# Altium PCB DM3390.PcbDoc (part 1 of 5) (continued)
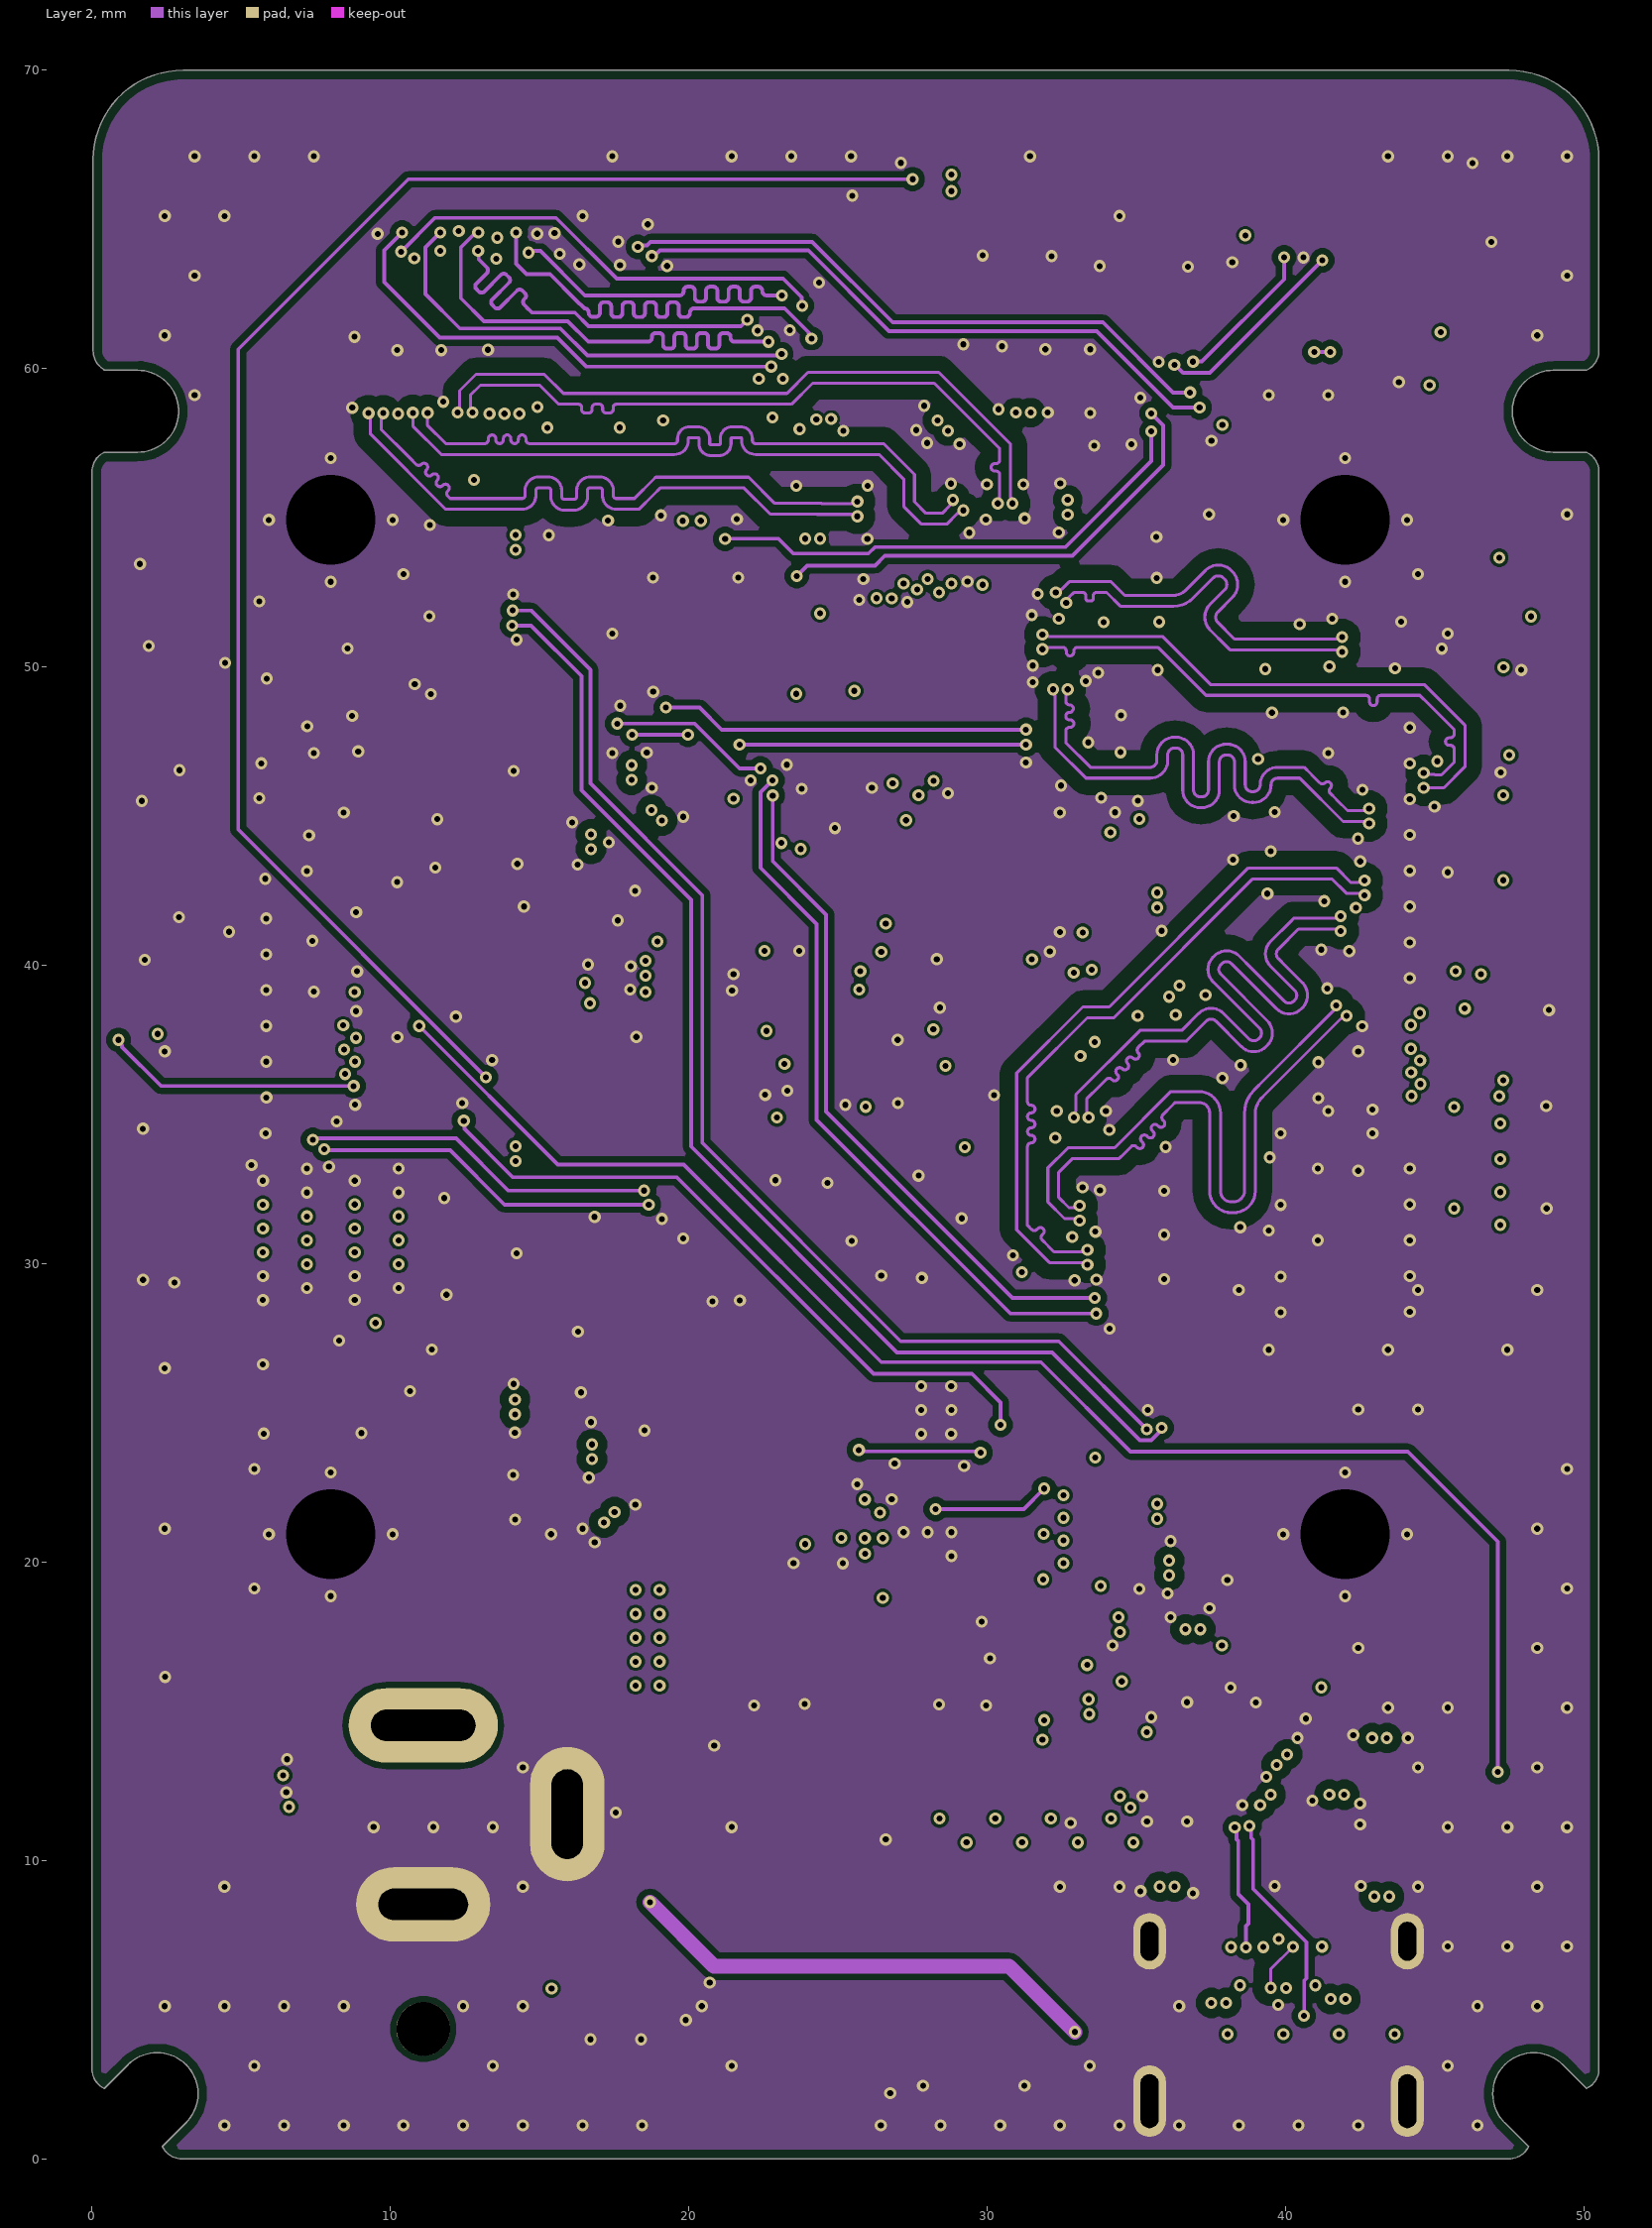
[diagram p3: Layer 2]
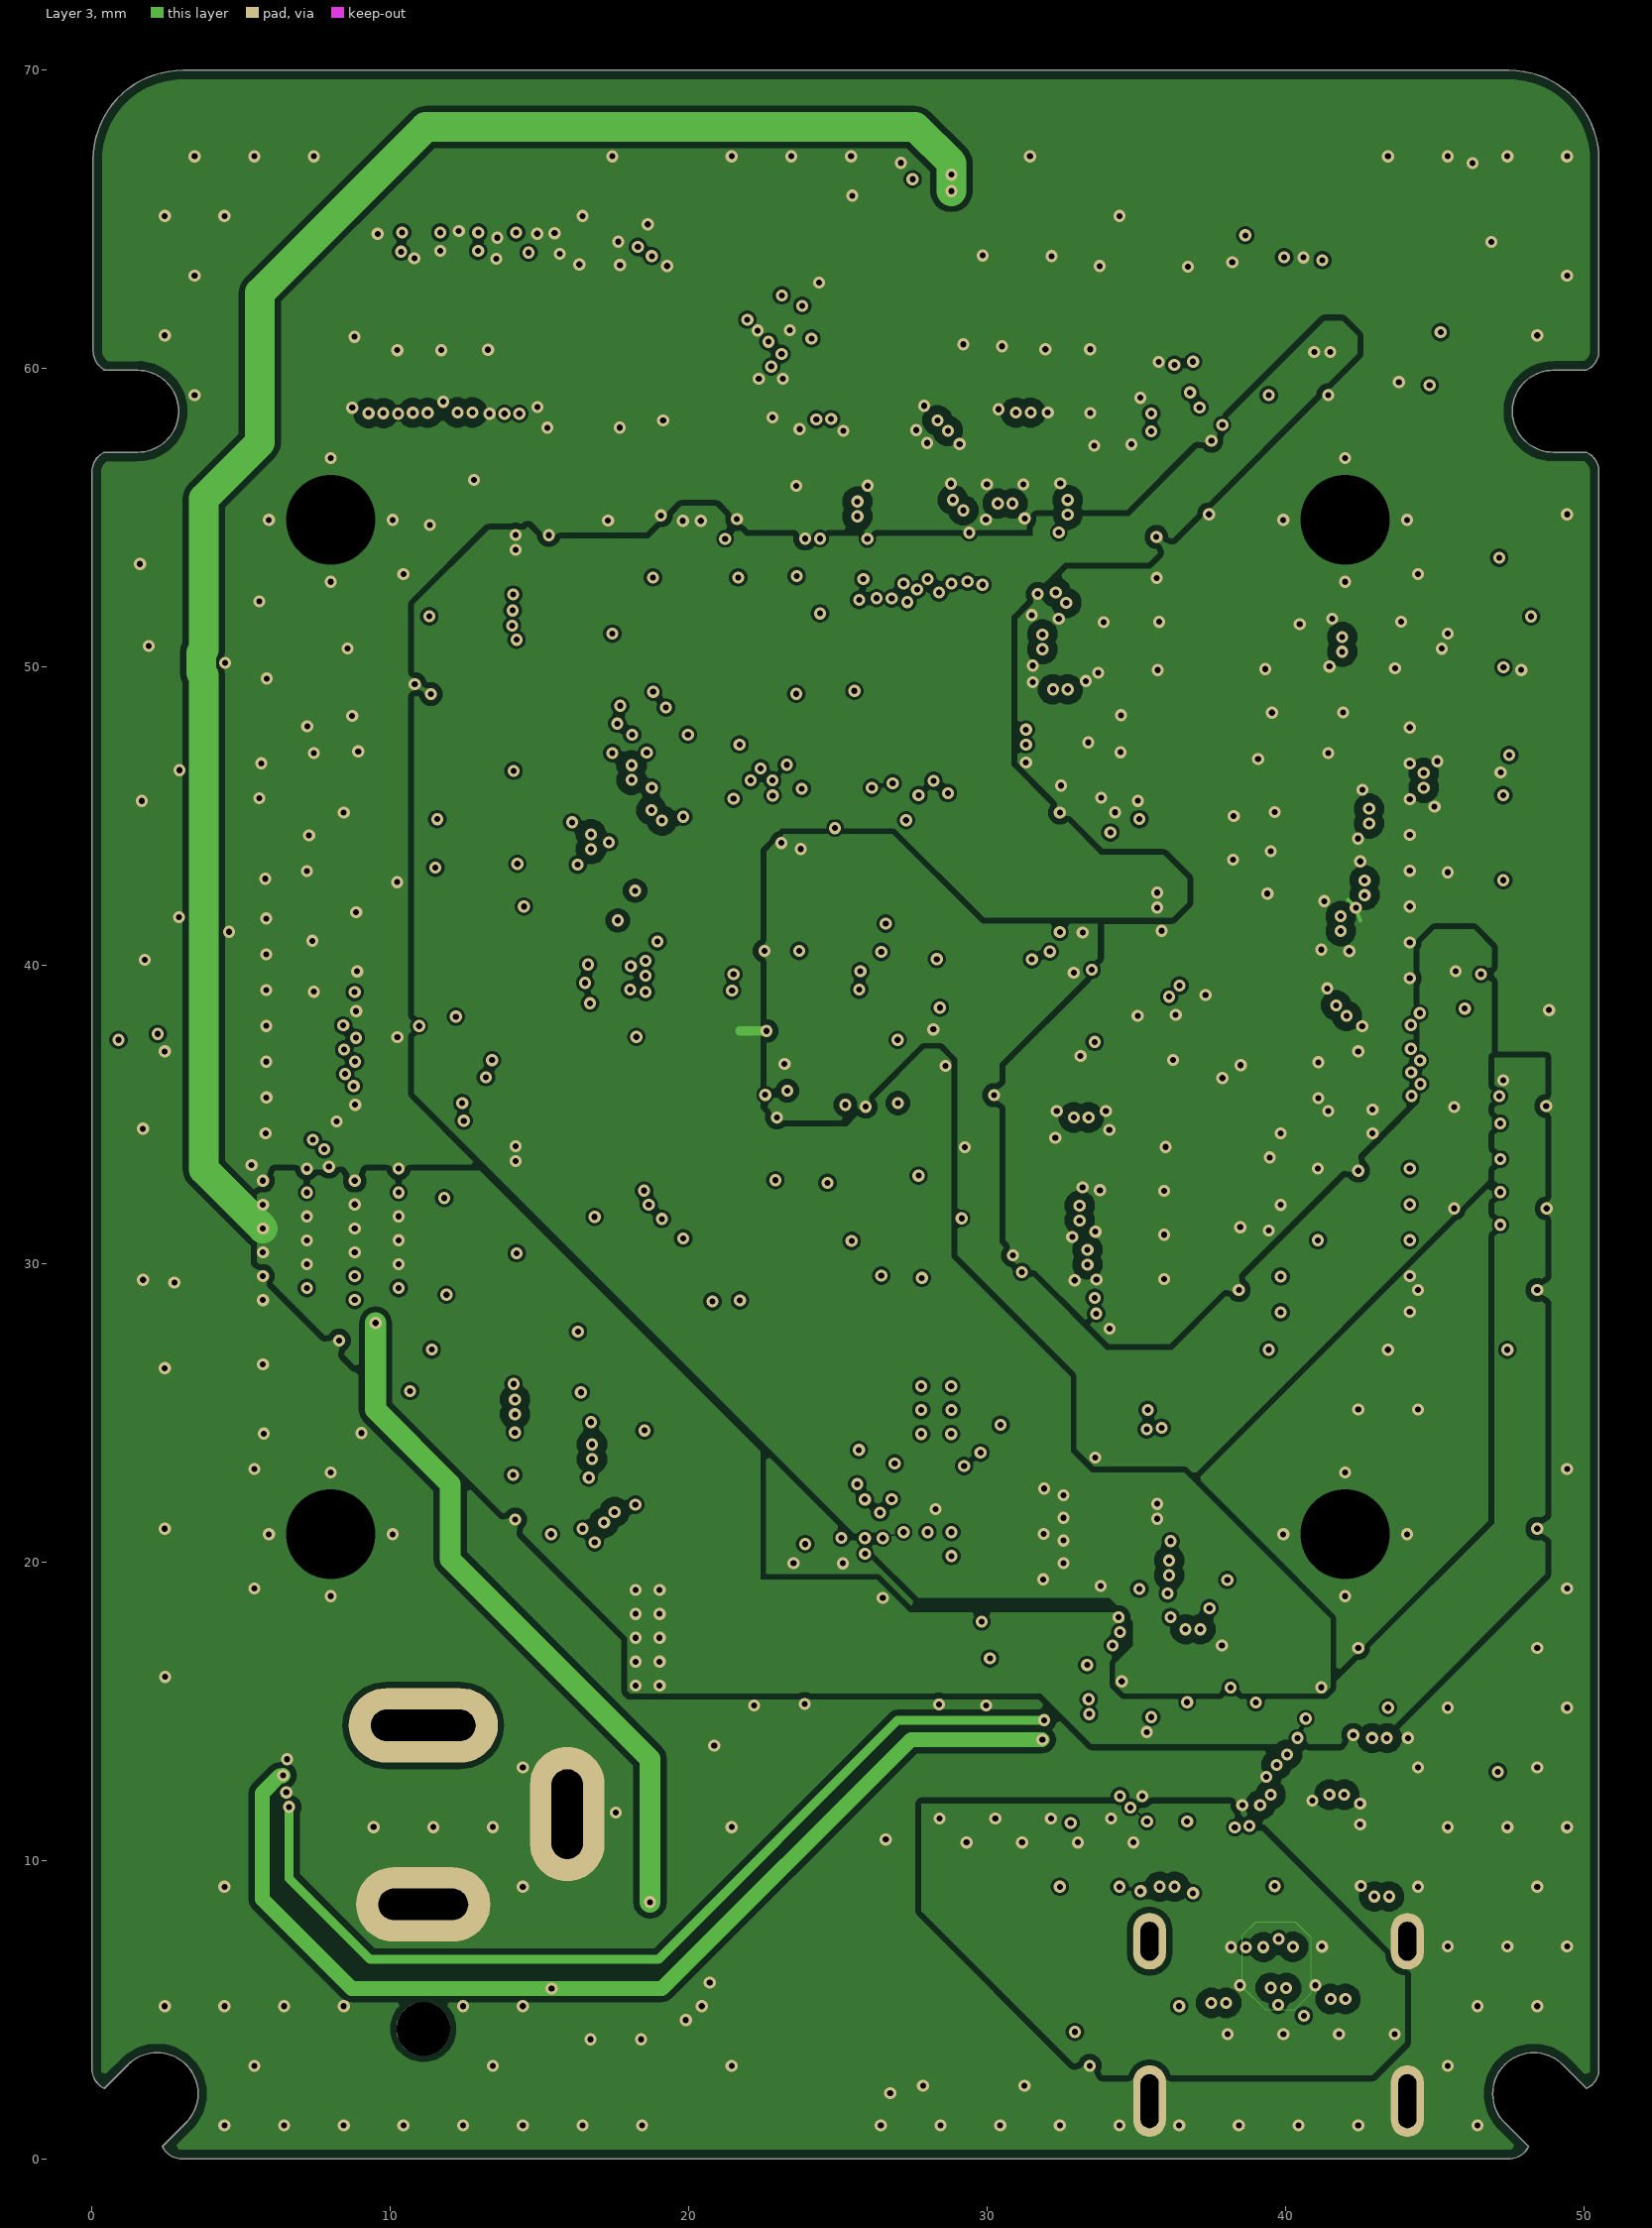
[diagram p4: Layer 3]
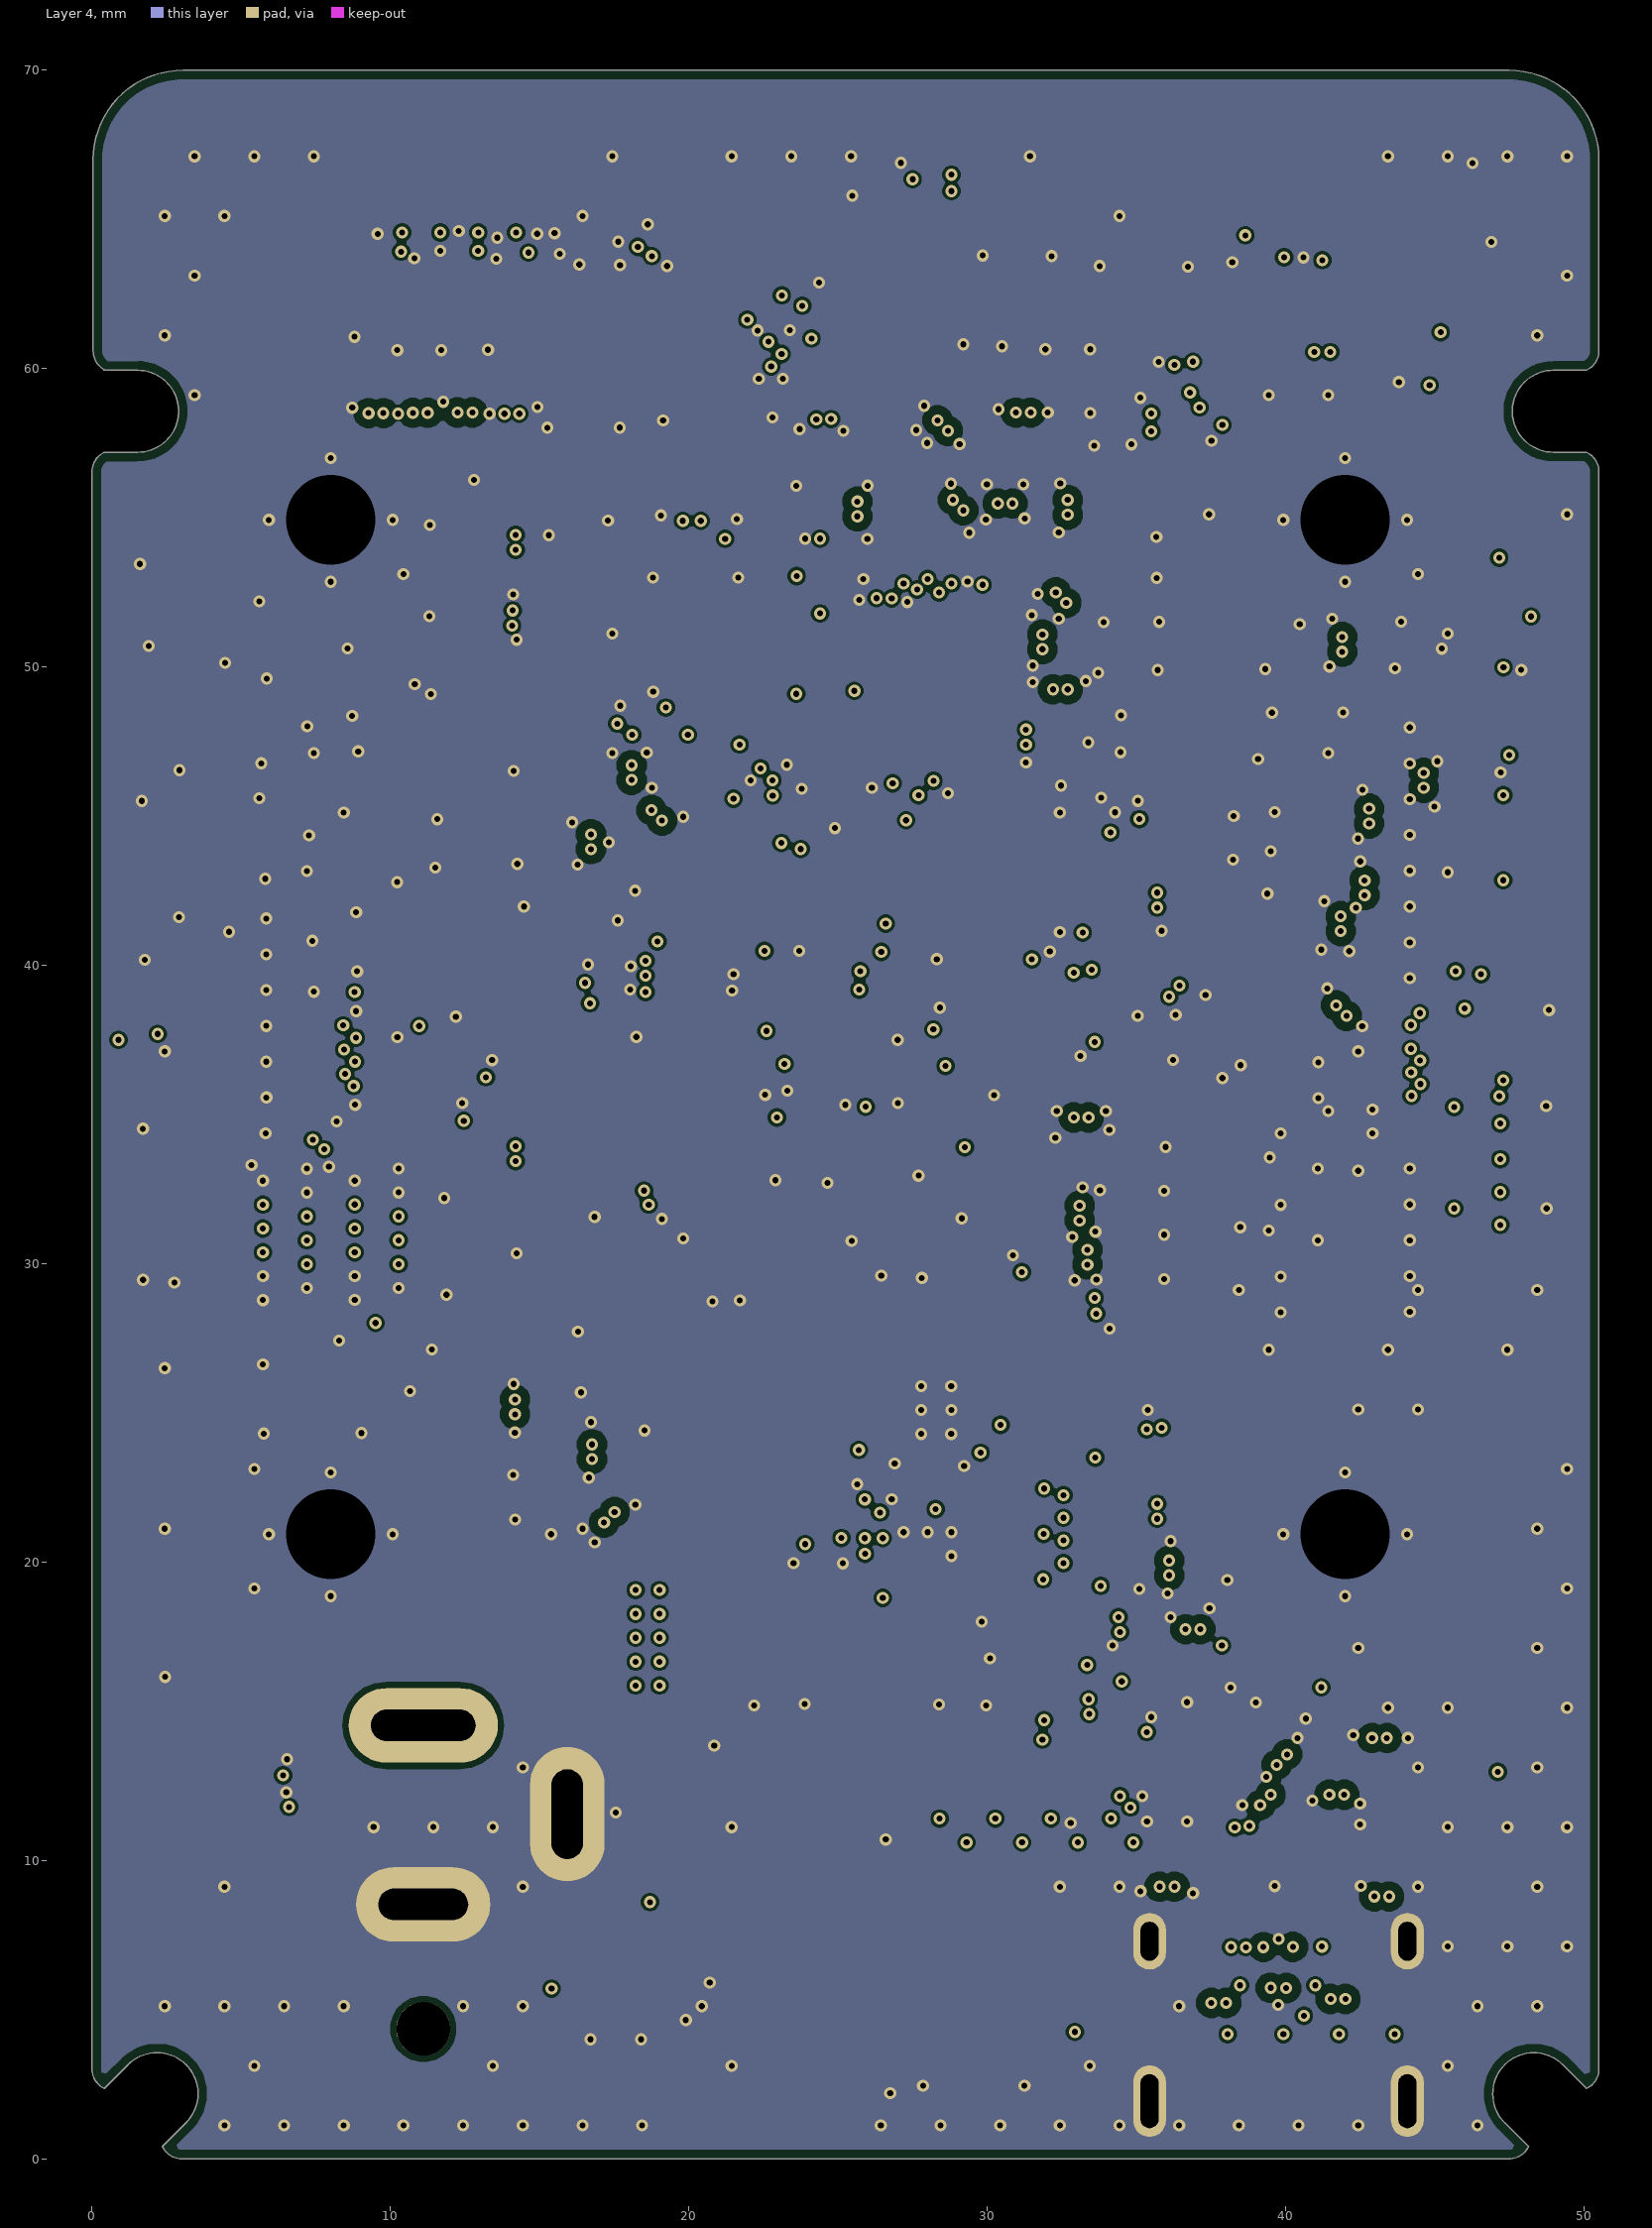
[diagram p5: Layer 4]

## Layer stack, top to bottom
Top Mask: solder mask 0.018, Solder Resist, Dk 4.2
Top Copper: signal copper 0.0356
Dielectric 3 (1080): prepreg 0.0711, PP-006, Dk 3.8
Layer 1: signal copper 0.035
Dielectric 1 (2116): prepreg 0.1168, PP-016, Dk 4.1
Layer 2: signal copper 0.035
Core: core 0.9906, q, Dk 4.6
Layer 3: signal copper 0.035
Dielectric 2 (2116): prepreg 0.1168, PP-016, Dk 4.1
Layer 4: signal copper 0.035
Dielectric 4 (1080): prepreg 0.0711, PP-006, Dk 3.8
Bottom Layer: signal copper 0.0356
Bottom Solder: solder mask 0.018, Solder Resist, Dk 4.2

## Board outline
0,2.999 ccw(c0.711,2.999) 0.41,2.355 0.408,2.356 1.205,3.154 cw(c2.178,2.181) 3.15,1.209 2.353,0.412 2.354,0.41 ccw(c2.998,0.71) 2.998,0 47.501,0 ccw(c47.501,0.711) 48.145,0.41 48.144,0.408 47.346,1.205 cw(c48.319,2.178) 49.291,3.15 50.088,2.353 50.09,2.354 ccw(c49.79,2.998) 50.5,2.998 50.5,56.552 ccw(c49.79,56.552) 50.09,57.195 50.102,57.197 48.974,57.197 cw(c48.974,58.572) 48.974,59.947 50.102,59.947 50.09,59.948 ccw(c49.79,60.592) 50.5,60.592 50.5,67.019 ccw(c47.503,67.003) 47.487,70 3.05,70 ccw(c3.034,67.003) 0.037,67.019 0.037,60.592 ccw(c0.747,60.592) 0.447,59.948 0.398,59.947 1.526,59.947 cw(c1.526,58.572) 1.526,57.197 0.398,57.197 0.41,57.195 ccw(c0.71,56.552) 0,56.552

## Design rules (kind name [scope] priority, off if disabled: settings)
AssemblyTestPointUsage [All] p1: valid=2
BoardOutlineClearance BoardOutlineClearance_Exception [HasFootprint('105450-0101')] p1: gap=0.225 ignorepadtopadclearanceinfootprint=FALSE
BoardOutlineClearance [All] p2: gap=0.305 ignorepadtopadclearanceinfootprint=FALSE
Clearance "Poly to Diff" [InPolygon vs (InDifferentialPairClass('All Differential Pairs'))] p1: gap=0.2 ignorepadtopadclearanceinfootprint=FALSE except(0.4: Via-Fill Via-Poly Via-Region; 0.5: Arc-Fill Arc-Poly Arc-Region Track-Fill Track-Poly Track-Region)
Clearance general [All] p2: gap=0.102 ignorepadtopadclearanceinfootprint=FALSE except(0.089: Via-Via; 0.2: Arc-Fill Arc-Poly Arc-Region Track-Fill Track-Poly Track-Region SMDPad-Fill SMDPad-Poly SMDPad-Region THPad-Fill THPad-Poly THPad-Region Via-Fill Via-Poly Via-Region Fill-Fill Fill-Poly Fill-Region Poly-Poly Poly-Region Region-Region)
ComponentClearance [All] p1: gap=0.001 collisioncheckmode=3 verticalgap=0.001 showdistances=FALSE
DiffPairsRouting 90ohm_diff_pair [InDifferentialPairClass('USB3')] p1: maxlimit=0.254 minlimit=0.102 mostfreqgap=0.154 toplayer_maxgap=0.102 toplayer_prefgap=0.102 toplayer_minwidth=0.102 toplayer_maxwidth=0.102 toplayer_prefwidth=0.102 midlayer1_mingap=0.154 midlayer1_maxgap=0.154 midlayer1_minwidth=0.102 midlayer1_maxwidth=0.102 midlayer1_prefwidth=0.102 midlayer2_mingap=0.154 midlayer2_maxgap=0.154 midlayer2_minwidth=0.102 midlayer2_maxwidth=0.102 midlayer2_prefwidth=0.102 bottomlayer_maxgap=0.102 bottomlayer_prefgap=0.102 bottomlayer_minwidth=0.102 bottomlayer_maxwidth=0.102 bottomlayer_prefwidth=0.102 impedanceprofiledriven=TRUE impedanceprofileid={E8767E0A-F1A8-41FE-9F94-E5935E97141E} impedanceprofilevalue=90.000000 maxuncoupledlength=12.7
DiffPairsRouting 100ohm_Diff_pair [InDifferentialPairClass('100ohm')] p2: maxlimit=0.261 minlimit=0.102 mostfreqgap=0.261 toplayer_mingap=0.127 toplayer_maxgap=0.127 toplayer_prefgap=0.127 toplayer_minwidth=0.089 toplayer_maxwidth=0.089 toplayer_prefwidth=0.089 midlayer1_mingap=0.261 midlayer1_minwidth=0.102 midlayer1_maxwidth=0.102 midlayer1_prefwidth=0.102 midlayer2_mingap=0.261 midlayer2_minwidth=0.102 midlayer2_maxwidth=0.102 midlayer2_prefwidth=0.102 bottomlayer_mingap=0.127 bottomlayer_maxgap=0.127 bottomlayer_prefgap=0.127 bottomlayer_minwidth=0.089 bottomlayer_maxwidth=0.089 bottomlayer_prefwidth=0.089 impedanceprofiledriven=TRUE impedanceprofileid={A9FFC291-69E9-4DAD-BB28-77FB23F50BE8} impedanceprofilevalue=100.000000 maxuncoupledlength=12.7
FabricationTestPointUsage [All] p1: valid=2 allowmultiple=FALSE
HoleSize [All] p1: absolutevalues=TRUE maxlimit=3.81 minlimit=0.025 maxpercent=80.000 minpercent=20.000
HoleToHoleClearance [All] p1: gap=0.254 allowstackedmicrovias=FALSE
MatchedLengths "Schematic Matched Net Lengths_12" [InNetClass('SDIO')] p1: tolerance=2.54 checknetsindiffpair=FALSE checkdiffpairvsdiffpair=TRUE checkxsignals=TRUE checkothers=TRUE usedelayunits=TRUE delaytolerance=20.000000
MatchedLengths XSIG-SPI1 [InxSignalClass('XSIG-SPI1')] p2: tolerance=2.54 checknetsindiffpair=FALSE checkdiffpairvsdiffpair=TRUE checkxsignals=TRUE checkothers=TRUE usedelayunits=TRUE delaytolerance=20.000000
MatchedLengths "Schematic Matched Net Lengths_11" [InNetClass('MIPI_CAM_A2')] p3: tolerance=0.127 checknetsindiffpair=FALSE checkdiffpairvsdiffpair=TRUE checkxsignals=TRUE checkothers=TRUE usedelayunits=TRUE delaytolerance=1.000000
MatchedLengths "Schematic Matched Net Lengths_10" [InNetClass('MIPI_CAM_C2')] p4: tolerance=0.127 checknetsindiffpair=FALSE checkdiffpairvsdiffpair=TRUE checkxsignals=TRUE checkothers=TRUE usedelayunits=TRUE delaytolerance=1.000000
MatchedLengths "Schematic Matched Net Lengths_9" [InNetClass('MIPI_CAM_B1')] p5: tolerance=0.127 checknetsindiffpair=FALSE checkdiffpairvsdiffpair=TRUE checkxsignals=TRUE checkothers=TRUE usedelayunits=TRUE delaytolerance=1.000000
MatchedLengths "Schematic Matched Net Lengths_8" [InNetClass('MIPI_CAM_B2')] p6: tolerance=0.127 checknetsindiffpair=FALSE checkdiffpairvsdiffpair=TRUE checkxsignals=TRUE checkothers=TRUE usedelayunits=TRUE delaytolerance=1.000000
MatchedLengths "Schematic Matched Net Lengths_7" [InNetClass('MIPI_CAM_C1')] p7: tolerance=0.127 checknetsindiffpair=FALSE checkdiffpairvsdiffpair=TRUE checkxsignals=TRUE checkothers=TRUE usedelayunits=TRUE delaytolerance=1.000000
MatchedLengths "Schematic Matched Net Lengths_6" [InNetClass('MIPI_CAM_A1')] p8: tolerance=0.127 checknetsindiffpair=FALSE checkdiffpairvsdiffpair=TRUE checkxsignals=TRUE checkothers=TRUE usedelayunits=TRUE delaytolerance=1.000000
MatchedLengths "Schematic Matched Net Lengths_5" [InNetClass('MIPI_CAM_A2')] p9: tolerance=25.4 checknetsindiffpair=TRUE checkdiffpairvsdiffpair=FALSE checkxsignals=FALSE checkothers=FALSE usedelayunits=TRUE delaytolerance=0.500000
MatchedLengths "Schematic Matched Net Lengths_4" [InNetClass('MIPI_CAM_C1')] p10: tolerance=25.4 checknetsindiffpair=TRUE checkdiffpairvsdiffpair=FALSE checkxsignals=FALSE checkothers=FALSE usedelayunits=TRUE delaytolerance=0.500000
MatchedLengths "Schematic Matched Net Lengths_3" [InNetClass('MIPI_CAM_B2')] p11: tolerance=25.4 checknetsindiffpair=TRUE checkdiffpairvsdiffpair=FALSE checkxsignals=FALSE checkothers=FALSE usedelayunits=TRUE delaytolerance=0.500000
MatchedLengths "Schematic Matched Net Lengths_2" [InNetClass('MIPI_CAM_C2')] p12: tolerance=25.4 checknetsindiffpair=TRUE checkdiffpairvsdiffpair=FALSE checkxsignals=FALSE checkothers=FALSE usedelayunits=TRUE delaytolerance=0.500000
MatchedLengths "Schematic Matched Net Lengths_1" [InNetClass('MIPI_CAM_B1')] p13: tolerance=25.4 checknetsindiffpair=TRUE checkdiffpairvsdiffpair=FALSE checkxsignals=FALSE checkothers=FALSE usedelayunits=TRUE delaytolerance=0.500000
MatchedLengths "Schematic Matched Net Lengths" [InNetClass('MIPI_CAM_A1')] p14: tolerance=25.4 checknetsindiffpair=TRUE checkdiffpairvsdiffpair=FALSE checkxsignals=FALSE checkothers=FALSE usedelayunits=TRUE delaytolerance=0.500000
MatchedLengths XSIG_BMI [InxSignalClass('XSIG-BMI')] p15: tolerance=50 checknetsindiffpair=FALSE checkdiffpairvsdiffpair=TRUE checkxsignals=TRUE checkothers=TRUE usedelayunits=TRUE delaytolerance=50.000000
MatchedLengths XSIG_BNO [InxSignalClass('XSIG-BNO')] p16: tolerance=50 checknetsindiffpair=FALSE checkdiffpairvsdiffpair=TRUE checkxsignals=TRUE checkothers=TRUE usedelayunits=TRUE delaytolerance=50.000000
MatchedLengths XSIG_USB [InxSignalClass('XSIG-USB')] p17: tolerance=50 checknetsindiffpair=TRUE checkdiffpairvsdiffpair=FALSE checkxsignals=FALSE checkothers=FALSE usedelayunits=TRUE delaytolerance=0.500000
MinimumSolderMaskSliver [All] p1: minsoldermaskwidth=0.005
PlaneClearance [All] p1: clearance=0.2
PlaneConnect [All] p1: pad.planeconnectstyle=Relief pad.reliefexpansion=0.508 pad.reliefentries=4 pad.reliefconductorwidth=0.254 pad.reliefairgap=0.254 via.planeconnectstyle=Direct via.reliefexpansion=0.508 via.reliefentries=4 via.reliefconductorwidth=0.254 via.reliefairgap=0.254
PolygonConnect Power_poly [InNetClass('Power_trace')] p1: connectstyle=Direct reliefconductorwidth=0.3 reliefentries=4 polygonreliefangle="90 Angle" airgapwidth=0.2
PolygonConnect VIA_Connection [IsVia] p2: connectstyle=Direct reliefconductorwidth=0.254 reliefentries=4 polygonreliefangle="90 Angle" airgapwidth=0.254
PolygonConnect GenericPoly [All] p3: connectstyle=Relief reliefconductorwidth=0.3 reliefentries=4 polygonreliefangle="90 Angle" airgapwidth=0.2
RoutingLayers [All] p1: top layer_v5=TRUE mid layer 1_v5=TRUE mid layer 2_v5=TRUE mid layer 3_v5=FALSE mid layer 4_v5=FALSE bottom layer_v5=TRUE
RoutingVias RoutingVias_Diff [InDifferentialPairClass('All Differential Pairs')] p1: holewidth=0.711 width=1.27 viastyle="Through Hole" minholewidth=0.711 minwidth=1.27 maxholewidth=0.711 maxwidth=1.27 useviatemplates=TRUE viatemplateguid#1={ECEAE612-FA56-4C5C-8713-52BBAA344D6C} viatemplatename#1=v41h20m0mx0
RoutingVias [All] p2: holewidth=0.203 width=0.406 viastyle="Through Hole" minholewidth=0.203 minwidth=0.406 maxholewidth=25.4 maxwidth=25.4 viatemplateguid#1={ECEAE612-FA56-4C5C-8713-52BBAA344D6C} viatemplatename#1=v41h20m0mx0
SilkToSilkClearance [All] p1: silktosilkclearance=0.005
SilkToSolderMaskClearance SilkscreenOverComponentPads [IsPad] p1: minsilkscreentomaskgap=0.005 clearancetoexposedcopper=FALSE
SolderMaskExpansion SolderMaskExpansion_Via [isvia] p1: expansion=-10 istentingtop=TRUE
SolderMaskExpansion [All] p2: expansion=0.051 istentingtop=FALSE
UnRoutedNet [All] p1: checkbadconnections=TRUE
Width [All] p1: maxlimit=2.54 minlimit=0.127 preferedwidth=0.127
17 further rules are at their usual default settings.
